# Altium PCB PrintNC_GRBLHAL_Breakout.pcbdoc (part 6 of 9)
Units mm, origin at the board's own origin, x right, y up, seen from the top; angles counter-clockwise.
Board outline 100 x 100 mm, 4 copper layers (Top Layer, GND, PWR, Bottom Layer), stack 0.603 mm thick; 296 components, 213 nets, 5829 pads, 410 vias.
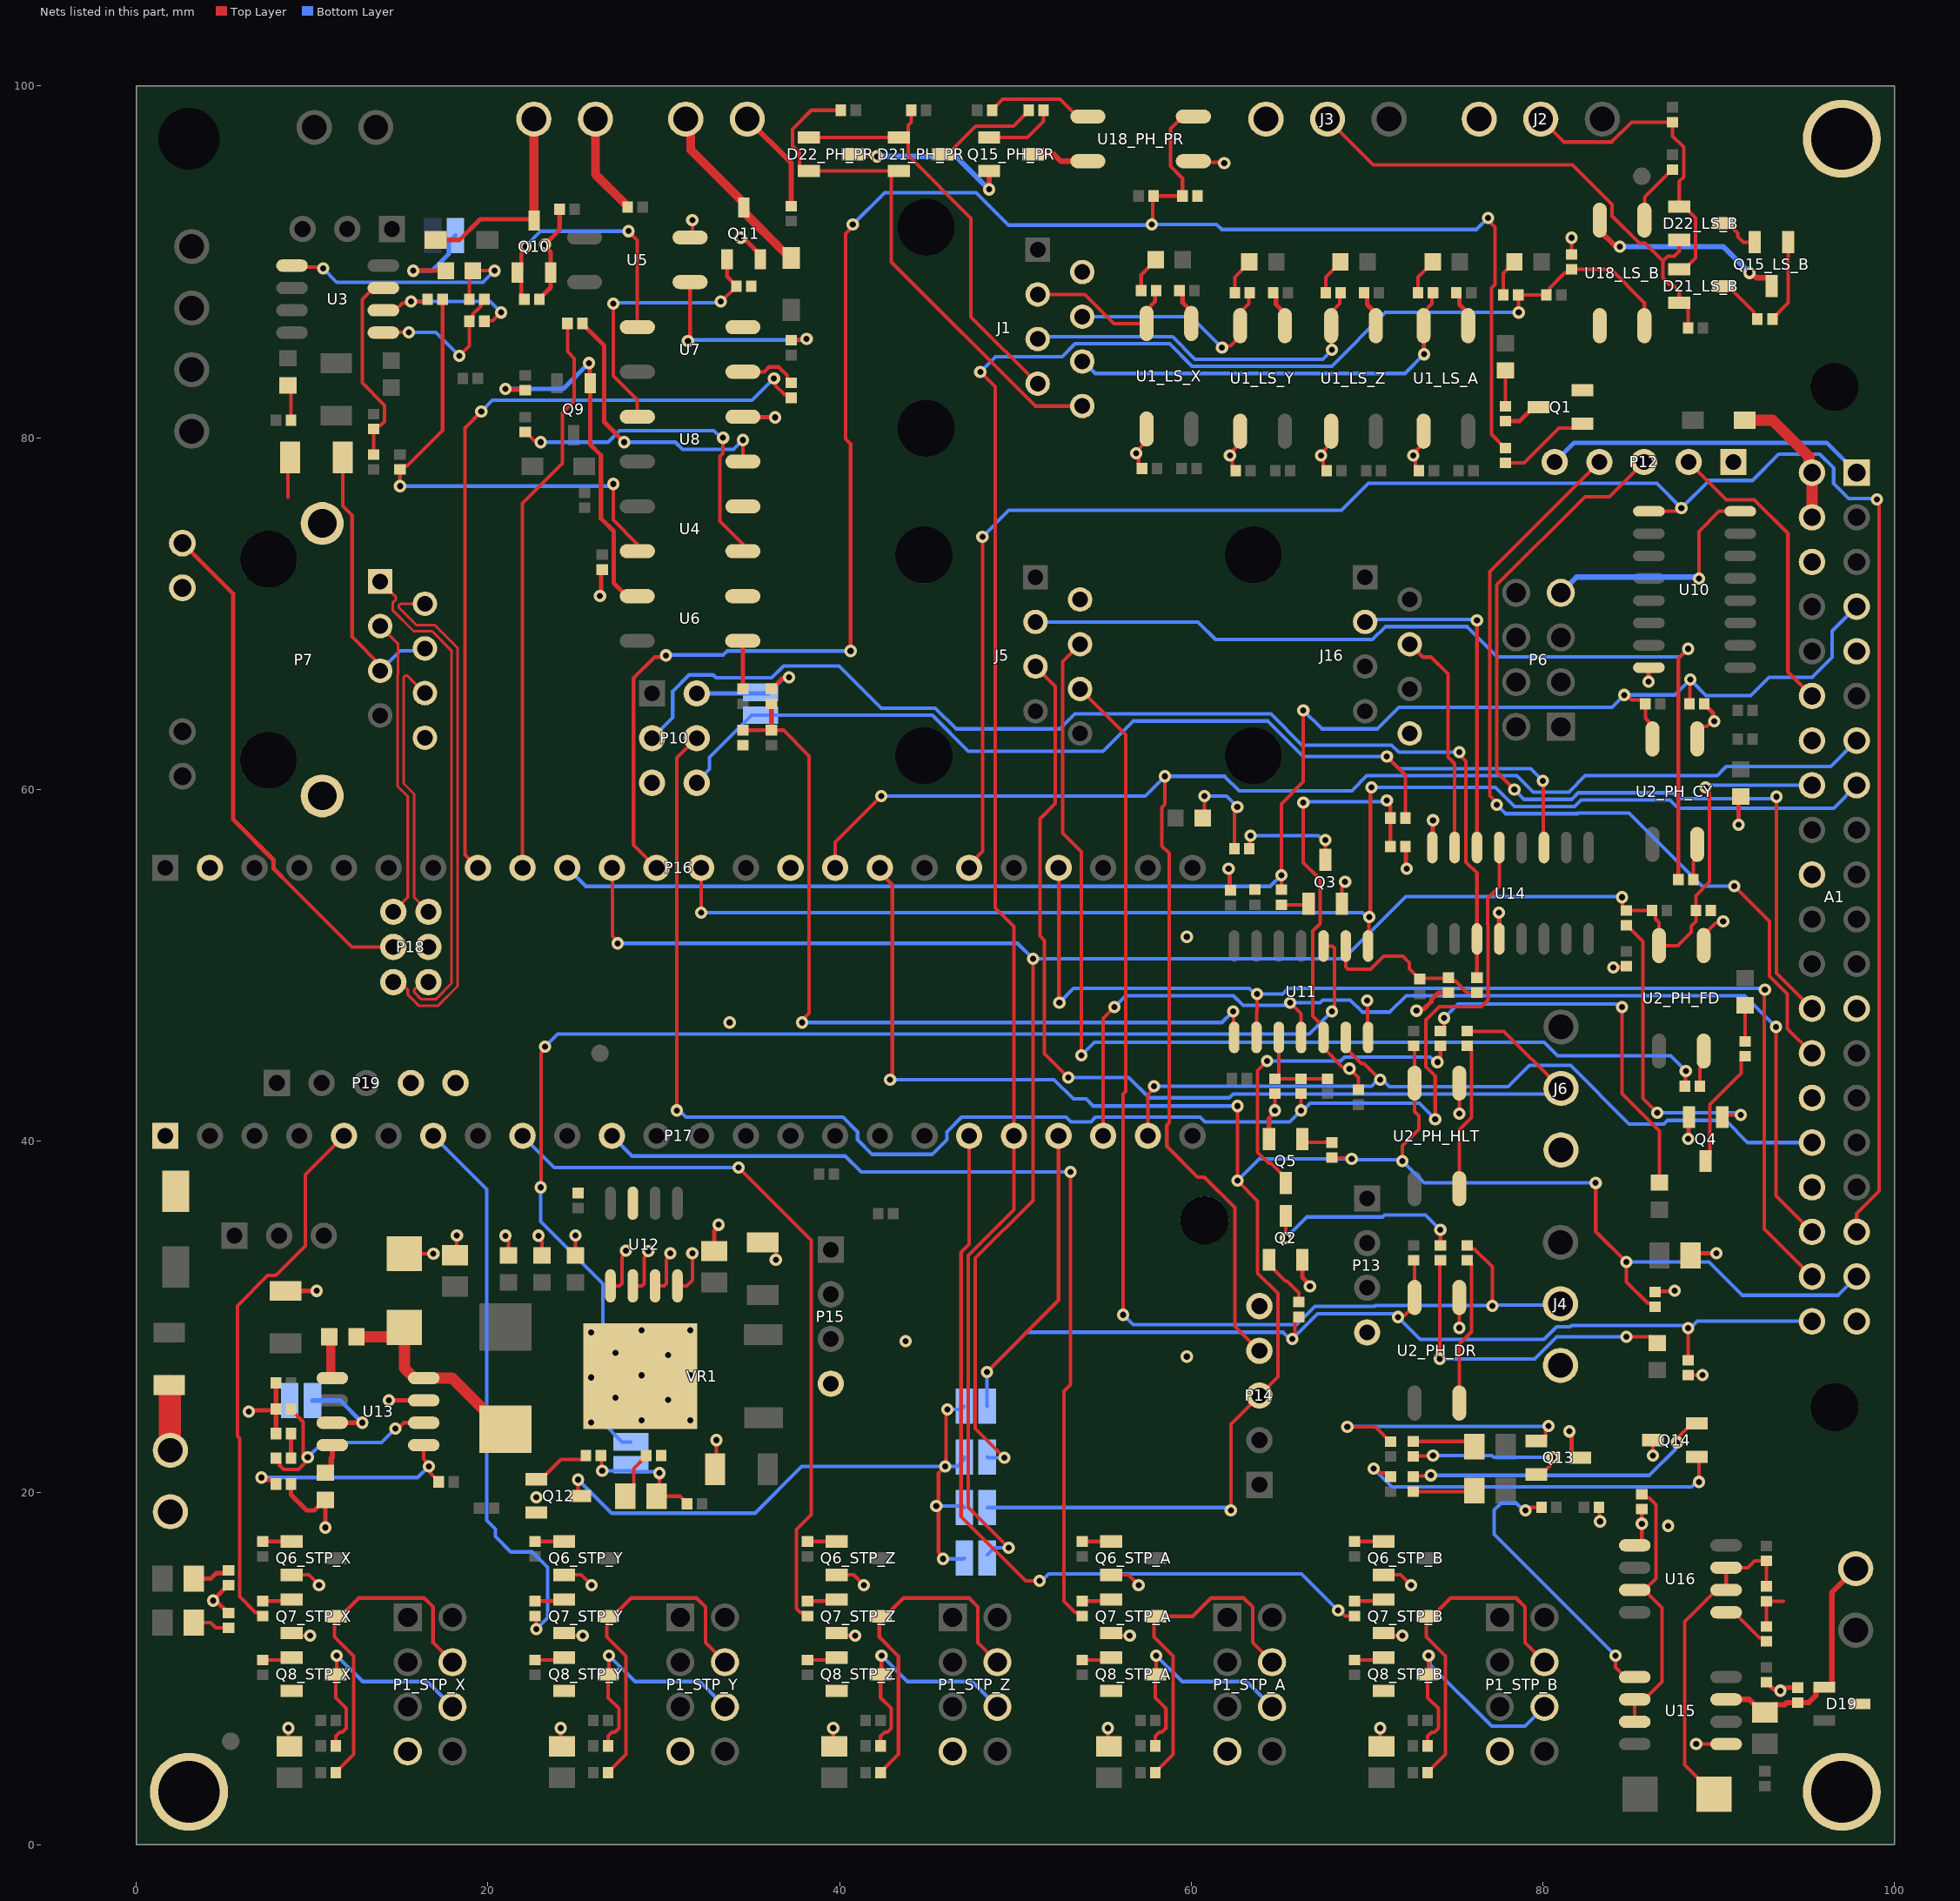
[diagram p8: the nets of this part, all layers, seen from the top]

## Via types
v1: diameter 0.7, hole 0.35, Top Layer to Bottom Layer, tented both sides, 402 vias
v2: diameter 1.27, hole 0.711, Top Layer to Bottom Layer, tented both sides, 8 vias

## Nets (pads, with @x,y where several pads share a name; then routed paths per layer and width w, separated by ;. In a path a pad name is that pad's centre, name@x,y a point inside that pad or via, vN(x,y) a via of type N, cw(c..) or ccw(c..) an arc to the next point about the centre after c; other vN are vias at no path point) (continued)
AUX3: A1.35 P16.19 U10.1 | length 118.9
  Top Layer w0.203: P16.19@47.371,55.547 47.371,55.721 48.125,56.475 v1(48.125,74.375) ; U10.1@86.025,75.82 87.561,75.82 87.741,76 v1(87.875,76) ; A1.35@97.843,34.84 97.843,35.883 99.125,37.165 99.125,76.133 99.095,76.163 99.095,76.405 v1(99,76.5)
  Bottom Layer w0.203: v1(48.125,74.375) 49.625,75.875 68.551,75.875 70.08,77.405 86.47,77.405 v1(87.875,76) 89.445,77.57 91.907,77.57 93.415,79.079 95.742,79.079 96.535,78.285 96.535,77.389 97.386,76.539 98.961,76.539 v1(99,76.5)
AUX3_RLY: P6.7 U10.16 | length 13.8
  Top Layer w0.203: v1(88.875,72) 88.875,74.675 90.02,75.82 U10.16@91.225,75.82
  Bottom Layer w0.305: P6.7@81.02,71.185 81.915,72.08 88.688,72.08 88.768,72 v1(88.875,72)
B: D19.1 P11.A2 R70.2 R78.1 U15.7 | length 14.4
  Top Layer w0.305: U15.7@90.421,8.255 91.73,8.255 92.535,7.45 93.028,7.943 93.742,7.943 93.874,8.075 R78.1@94.5,8.075 95.125,8.075 95.527,8.477 95.527,8.802 95.675,8.95 D19.1@96,8.95 96.287,8.95 96.435,9.098 96.435,14.337 P11.A2@97.79,15.692
B_EXT+: J16.3 U14.6 | length 19.4
  Top Layer w0.203: U14.6@76.25,56.7 v1(76.25,69.625)
  Bottom Layer w0.203: J16.3@69.89,69.53 70.026,69.666 76.209,69.666 v1(76.25,69.625)
B_EXT-: J16.4 U14.7 | length 12.9
  Top Layer w0.203: J16.4@72.43,68.26 73.16,67.53 73.646,67.53 74.595,66.58 74.595,61.854 74.98,61.469 U14.7@74.98,56.7
B_LIM: C35_LS_B.2 J12.2 P17.20 R73_LS_B.1 R77.1 U18_LS_B.4 | length 115.8
  Top Layer w0.203: v1(48,83.75) 48.856,82.894 48.856,53.269 49.911,52.214 P17.20@49.911,40.307 49.911,36.111 47.314,33.514 47.314,19.186 v1(49.625,16.875) ; R77.1@78.6,88.1 78.798,87.902 R77.1@78.823,87.902 ; v1(78.625,87.125) 78.612,87.137 78.612,88.112 R77.1@78.6,88.125 R73_LS_B.1@80.2,88.125 80.398,88.323 80.398,88.529 81.246,89.377 81.427,89.377 C35_LS_B.2@81.625,89.575 C35_LS_B.2@81.65,89.575 ; C35_LS_B.2@81.848,89.352 81.848,89.377 C35_LS_B.2@81.65,89.575 ; U18_LS_B.4@85.77,86.375 85.77,87.68 83.875,89.575 C35_LS_B.2@81.65,89.575
  Bottom Layer w0.203: v1(48,83.75) 48.865,84.615 52.662,84.615 53.391,85.345 58.766,85.345 60.047,84.064 67.99,84.064 71.051,87.125 v1(78.625,87.125) ; J12.2@48.397,16.477 48.795,16.875 v1(49.625,16.875)
COOLANT: P16.8 R37.1 | length 45.7
  Top Layer w0.203: P16.8@19.431,55.547 19.431,55.555 18.689,56.297 18.689,80.564 v1(19.625,81.5) ; v1(36.27,83.375) 36.365,83.28 36.365,82.954 36.846,82.473 37.052,82.473 R37.1@37.25,82.275
  Bottom Layer w0.203: v1(19.625,81.5) 20.253,82.128 35.023,82.128 v1(36.27,83.375)
COOLANT_n: D8.1 P4.A2 Q10.3 | length 11.7
  Top Layer w0.254: D8.1@17.025,91.25 18.383,91.25 19.563,92.43 22.427,92.43 22.597,92.6 Q10.3@22.625,92.6
  Top Layer w0.508: P4.A2@22.614,98.125 22.62,98.12 22.62,92.605 Q10.3@22.625,92.6
CYC/ST: A1.7 C2_PH_CY.2 P16.10 R9.1 R14_PH_CY.1 U2_PH_CY.4 | length 93.2
  Top Layer w0.203: R9.1@65.125,54.3 65.125,59.188 66.375,60.438 v1(66.375,64.5) ; v1(84.625,65.375) 84.759,65.375 85.036,65.098 85.627,65.098 85.825,64.9 85.825,64.042 86.23,63.636 U2_PH_CY.4@86.23,62.875 ; C2_PH_CY.2@88.325,64.875 88.35,64.9 88.35,66.225 v1(88.375,66.25)
  Bottom Layer w0.203: P16.10@24.511,55.547 25.566,54.492 64.492,54.492 v1(65.125,55.125) ; v1(66.375,64.5) 67.425,63.45 70.594,63.45 71.813,64.67 83.92,64.67 v1(84.625,65.375) 87.5,65.375 v1(88.375,66.25) ; v1@88.53,66.095 89.28,65.345 91.82,65.345 92.853,66.379 95.319,66.379 96.456,67.516 96.456,69.013 A1.7@97.843,70.4
CYC/ST_out: J5.3 R15_PH_CY.1 | length 52
  Top Layer w0.203: R15_PH_CY.1@87.7,54.875 87.7,67.45 v1(88.25,68)
  Bottom Layer w0.203: J5.3@51.265,69.53 60.383,69.53 61.382,68.53 70.304,68.53 71.033,69.26 75.69,69.26 77.409,67.54 87.784,67.54 88.243,68 v1(88.25,68)
DE: R72.2 U15.2 U15.3 U16.3 | length 15.2
  Top Layer w0.203: U15.3@85.221,6.985 85.221,8.026 85.45,8.255 U15.2@85.471,8.255 ; U15.2@85.221,8.255 U15.2@85.471,8.255 ; U16.3@85.221,14.478 U16.3@85.817,14.478 ; 86.029,19.727 86.426,19.33 86.426,15.133 85.817,14.524 U16.3@85.817,14.478 ; U15.2@85.471,8.255 85.771,8.255 86.78,9.264 86.78,13.469 85.817,14.432 U16.3@85.817,14.478
DIR-_STP_A: P1_STP_A.4 Q7_STP_A.3 R17_STP_A.1 | length 19.6
  Top Layer w0.203: R17_STP_A.1@57.955,4.087 57.955,4.112 58.966,5.123 58.966,10.716 57.881,11.801 57.881,12.915 Q7_STP_A.3@57.95,12.984 60.089,12.984 61.128,14.023 62.98,14.023 63.489,13.513 63.489,11.483 P1_STP_A.4@64.594,10.378
DIR-_STP_B: P1_STP_B.4 Q7_STP_B.3 R17_STP_B.1 | length 19.6
  Top Layer w0.203: R17_STP_B.1@73.449,4.087 73.449,4.112 74.46,5.123 74.46,10.716 73.375,11.801 73.375,12.915 Q7_STP_B.3@73.444,12.984 73.719,12.984 74.758,14.023 78.474,14.023 78.983,13.513 78.983,11.483 P1_STP_B.4@80.088,10.378
DIR-_STP_X: P1_STP_X.4 Q7_STP_X.3 R17_STP_X.1 | length 19.7
  Top Layer w0.203: Q7_STP_X.3@11.341,12.984 Q7_STP_X.3@11.616,12.984 ; R17_STP_X.1@11.346,4.087 11.346,4.112 12.357,5.123 12.357,10.716 11.272,11.801 11.272,12.736 11.368,12.736 Q7_STP_X.3@11.616,12.984 ; P1_STP_X.4@17.985,10.378 16.88,11.483 16.88,13.513 16.371,14.023 12.655,14.023 Q7_STP_X.3@11.616,12.984
DIR-_STP_Y: P1_STP_Y.4 Q7_STP_Y.3 R17_STP_Y.1 | length 19.7
  Top Layer w0.203: Q7_STP_Y.3@26.835,12.984 Q7_STP_Y.3@27.11,12.984 ; R17_STP_Y.1@26.84,4.087 26.84,4.112 27.851,5.123 27.851,10.716 26.766,11.801 26.766,12.736 26.862,12.736 Q7_STP_Y.3@27.11,12.984 ; P1_STP_Y.4@33.479,10.378 32.374,11.483 32.374,13.513 31.865,14.023 28.149,14.023 Q7_STP_Y.3@27.11,12.984
DIR-_STP_Z: P1_STP_Z.4 Q7_STP_Z.3 R17_STP_Z.1 | length 19.6
  Top Layer w0.203: R17_STP_Z.1@42.334,4.087 42.334,4.112 43.345,5.123 43.345,10.716 42.26,11.801 42.26,12.915 Q7_STP_Z.3@42.329,12.984 42.604,12.984 43.643,14.023 47.359,14.023 47.868,13.513 47.868,11.483 P1_STP_Z.4@48.973,10.378
DIR_A: P17.11 R20_STP_A.1 | length 52.9
  Top Layer w0.203: v1(53.131,38.25) 53.131,26.157 52.763,25.789 52.763,13.831 53.395,13.199 53.601,13.199 R20_STP_A.1@53.799,13.001
  Bottom Layer w0.203: P17.11@27.051,40.307 28.203,39.155 40.323,39.155 41.228,38.25 v1(53.131,38.25)
DIR_B: P17.19 R20_STP_B.1 | length 46.9
  Top Layer w0.203: P17.19@47.371,40.307 47.371,34.145 46.908,33.682 46.908,18.667 50.574,15 v1(51.375,15) ; v1(68.355,13.321) 68.425,13.321 68.744,13.001 R20_STP_B.1@69.293,13.001
  Bottom Layer w0.203: v1(51.375,15) 51.492,15 51.896,15.405 66.271,15.405 v1(68.355,13.321)
DIR_X: P17.5 R20_STP_X.1 | length 30.8
  Top Layer w0.203: R20_STP_X.1@7.19,13.001 6.992,13.199 6.786,13.199 5.88,14.106 5.88,23.109 5.75,23.238 5.75,30.636 7.474,32.36 7.926,32.36 9.61,34.044 9.61,38.106 P17.5@11.811,40.307
DIR_Y: P17.7 R20_STP_Y.1 | length 32.5
  Top Layer w0.203: R20_STP_Y.1@22.684,13.001 22.75,12.935 v1(22.75,12.25)
  Bottom Layer w0.203: P17.7@16.891,40.307 19.935,37.263 19.935,18.44 20.436,17.939 20.436,17.513 21.307,16.642 22.534,16.642 23.405,15.771 23.405,12.905 v1(22.75,12.25)
DIR_Z: P17.9 R20_STP_Z.1 | length 41
  Top Layer w0.203: v1(34.25,38.5) 38.39,34.36 38.39,18.765 37.548,17.923 37.548,13.425 37.774,13.199 37.98,13.199 R20_STP_Z.1@38.178,13.001
  Bottom Layer w0.203: P17.9@21.971,40.307 23.778,38.5 v1(34.25,38.5)
DOOR: A1.40 C2_PH_DR.2 J11.2 P17.21 R7.1 R14_PH_DR.1 U2_PH_DR.4 | length 73.9
  Top Layer w0.203: v1(48.375,26.875) 52.451,30.951 P17.21@52.451,40.307 ; v1(65.75,28.75) 65.75,28.884 65.902,29.036 65.902,29.802 66.1,30 R7.1@66.125,30 ; v1(71.75,30) 71.845,30.095 72.126,30.095 72.702,30.671 72.702,33.172 R14_PH_DR.1@72.644,33.23 ; C2_PH_DR.2@88.25,27.55 v1(88.25,29.375)
  Bottom Layer w0.203: J11.2@48.397,24.926 48.375,24.948 v1(48.375,26.875) 50.635,29.135 65.231,29.135 65.616,28.75 v1(65.75,28.75) 67.18,30.18 71.436,30.18 71.616,30 v1(71.75,30) 73.022,28.728 80.059,28.728 80.776,29.445 81.54,29.445 81.625,29.53 87.961,29.53 88.116,29.375 88.384,29.375 88.769,29.76 A1.40@95.303,29.76
DOOR_out: J4.A2 J5.6 R15_PH_DR.1 | length 66.5
  Top Layer w0.203: J5.6@53.68,65.72 56.28,63.12 56.28,42.83 56.125,42.676 v1(56.125,30.125) ; R15_PH_DR.1@75.692,34.08 75.89,33.882 76.096,33.882 77.125,32.853 v1(77.125,30.625)
  Bottom Layer w0.203: v1(56.125,30.125) 56.685,29.565 65.991,29.565 67.036,30.61 70.437,30.61 70.481,30.655 77.095,30.655 v1(77.125,30.625) 77.187,30.688 80.938,30.688 J4.A2@81,30.75
ELED: P7.9 P18.4 | length 29.3
  Top Layer w0.203: 8.285,55.035 12.274,51.047 P18.4@14.621,51.047
  Top Layer w0.254: P7.9@2.626,74.007 5.52,71.113 5.52,58.285 7.811,55.994 7.811,55.51 8.285,55.035
EN-_STP_A: P1_STP_A.6 Q8_STP_A.3 R18_STP_A.1 | length 13.5
  Top Layer w0.203: R18_STP_A.1@57.955,5.611 57.955,6.16 58.181,6.385 58.334,6.385 58.56,6.611 58.56,7.74 57.955,8.345 57.955,9.677 Q8_STP_A.3@57.95,9.682 58.006,9.738 v1(58.006,10.75)
  Bottom Layer w0.203: v1(58.006,10.75) 59.483,9.273 63.159,9.273 P1_STP_A.6@64.594,7.838
EN-_STP_B: P1_STP_B.6 Q8_STP_B.3 R18_STP_B.1 | length 14.7
  Top Layer w0.203: R18_STP_B.1@73.449,5.611 73.449,6.16 73.675,6.385 73.828,6.385 74.054,6.611 74.054,7.74 73.449,8.345 73.449,9.677 Q8_STP_B.3@73.444,9.682 73.5,9.738 v1(73.5,10.75)
  Bottom Layer w0.203: v1(73.5,10.75) 73.595,10.655 73.595,10.229 77.09,6.733 78.983,6.733 P1_STP_B.6@80.088,7.838
EN-_STP_X: P1_STP_X.6 Q8_STP_X.3 R18_STP_X.1 | length 13.5
  Top Layer w0.203: R18_STP_X.1@11.346,5.611 11.346,6.16 11.572,6.385 11.725,6.385 11.951,6.611 11.951,7.74 11.346,8.345 11.346,9.677 Q8_STP_X.3@11.341,9.682 11.397,9.738 v1(11.397,10.75)
  Bottom Layer w0.203: v1(11.397,10.75) 12.874,9.273 16.55,9.273 P1_STP_X.6@17.985,7.838
EN-_STP_Y: P1_STP_Y.6 Q8_STP_Y.3 R18_STP_Y.1 | length 13.5
  Top Layer w0.203: R18_STP_Y.1@26.84,5.611 26.84,6.16 27.066,6.385 27.219,6.385 27.445,6.611 27.445,7.74 26.84,8.345 26.84,9.677 Q8_STP_Y.3@26.835,9.682 26.891,9.738 v1(26.891,10.75)
  Bottom Layer w0.203: v1(26.891,10.75) 28.368,9.273 32.044,9.273 P1_STP_Y.6@33.479,7.838
EN-_STP_Z: P1_STP_Z.6 Q8_STP_Z.3 R18_STP_Z.1 | length 13.5
  Top Layer w0.203: R18_STP_Z.1@42.334,5.611 42.334,6.16 42.56,6.385 42.713,6.385 42.939,6.611 42.939,7.74 42.334,8.345 42.334,9.677 Q8_STP_Z.3@42.329,9.682 42.385,9.738 v1(42.385,10.75)
  Bottom Layer w0.203: v1(42.385,10.75) 43.862,9.273 47.538,9.273 P1_STP_Z.6@48.973,7.838
ER_n: P7.6 P18.5 | length 15.6
  Top Layer w0.152: P7.6@16.416,65.482 15.425,66.473 15.299,66.473 15.21,66.384 15.21,60.34 15.799,59.751 15.799,53.869 P18.5@16.621,53.047
ER_p: P7.3 P18.6 | length 17.3
  Top Layer w0.152: P7.3@13.876,69.292 14.895,68.273 14.895,66.572 14.854,66.531 14.854,60.193 15.443,59.604 15.443,53.869 P18.6@14.621,53.047
ET_n: P7.2 P18.2 | length 30
  Top Layer w0.152: P18.2@14.621,49.047 14.986,49.047 15.332,48.701 15.354,48.701 15.443,48.611 15.443,48.338 16.068,47.713 17.174,47.713 18.276,48.815 18.276,68.049 16.969,69.356 15.927,69.356 14.936,70.347 14.936,70.473 15.026,70.562 16.292,70.562 P7.2@16.415,70.685
ET_p: P7.1 P18.1 | length 29.1
  Top Layer w0.152: P7.1@13.88,71.828 14.771,70.937 14.771,70.811 14.581,70.62 14.581,70.199 15.78,69 16.821,69 17.92,67.901 17.92,48.962 17.026,48.068 16.216,48.068 15.799,48.485 15.799,48.611 15.888,48.701 15.91,48.701 16.256,49.047 P18.1@16.621,49.047
EXT_IN0: J9.2 P10.2 R54.1 | length 6.9
  Top Layer w0.254: R54.1@36.125,65.725 36.15,65.725 36.715,66.29 37.04,66.29 v1(37.125,66.375)
  Bottom Layer w0.254: P10.2@31.875,65.46 35.935,65.46 36.765,66.29 37.04,66.29 v1(37.125,66.375)
EXT_IN0_BUF: A1.38 P16.21 U11.2 | length 68.4
  Top Layer w0.203: P16.21@52.451,55.547 52.476,55.523 52.476,47.899 v1(52.5,47.875) ; U11.2@63.71,45.9 63.71,47.394 63.75,47.434 v1(63.75,48.375) ; v1(92.625,48.625) 92.595,48.595 92.595,35.008 A1.38@95.303,32.3
  Bottom Layer w0.203: v1(52.5,47.875) 53.311,48.686 63.305,48.686 63.616,48.375 65.199,48.375 65.51,48.686 92.564,48.686 v1(92.625,48.625)
EXT_IN1: P10.4 R59.1 U14.5 | length 88.1
  Top Layer w0.203: v1(30.75,41.75) 30.75,61.795 P10.4@31.875,62.92 ; v1(66.25,41.75) R59.1@66.25,42.7 ; v1(73.875,41.25) 73.875,43.699 73.345,44.229 73.345,46.896 74.104,47.655 76.51,47.655 76.88,48.024 76.88,52.325 76.845,52.36 76.845,53.801 77.52,54.475 U14.5@77.52,56.7
  Bottom Layer w0.203: v1(30.75,41.75) 30.884,41.75 31.273,41.362 40.188,41.362 41.021,40.528 41.021,40.086 41.854,39.252 45.268,39.252 46.101,40.086 46.101,40.528 46.934,41.362 52.888,41.362 53.154,41.095 54.288,41.095 54.554,41.362 60.508,41.362 60.774,41.095 65.595,41.095 v1(66.25,41.75) 66.367,41.75 66.771,42.155 72.97,42.155 v1(73.875,41.25)
EXT_IN1_BUF: A1.36 P17.22 U11.4 | length 62
  Top Layer w0.203: P17.22@54.991,40.307 54.991,46.991 v1(55.625,47.625) ; v1(65.625,47.875) 66.25,47.25 U11.4@66.25,45.9 ; v1(93.25,46.5) 93.25,36.893 A1.36@95.303,34.84
  Bottom Layer w0.203: v1(55.625,47.625) 56.28,48.28 62.396,48.28 62.955,47.72 65.336,47.72 65.491,47.875 67.325,47.875 67.479,48.03 69.045,48.03 69.729,47.345 71.295,47.345 72.229,48.28 91.47,48.28 v1(93.25,46.5)
EXT_IN2: J9.1 P10.6 R62.1 U14.3 | length 60.9
  Top Layer w0.203: v1(71.125,61.875) 72.175,60.825 R62.1@72.175,58.375 ; v1(80,60.5) 80.03,60.47 80.03,56.73 U14.3@80.06,56.7
  Bottom Layer w0.203: P10.6@31.875,60.38 31.875,60.431 32.595,61.151 32.595,61.82 35,64.225 45.276,64.225 47.321,62.18 54.985,62.18 56.696,63.891 64.36,63.891 66.376,61.875 v1(71.125,61.875) 71.813,61.187 79.313,61.187 v1(80,60.5)
EXT_IN2_BUF: A1.32 P17.23 U11.6 | length 46.5
  Top Layer w0.203: P17.23@57.531,40.307 57.531,42.647 57.875,42.991 v1(57.875,43.125) ; U11.6@68.79,45.9 68.79,45.3 69.674,44.416 69.834,44.416 v1(70.75,43.5)
  Bottom Layer w0.203: v1(57.875,43.125) 70.241,43.125 70.616,43.5 70.867,43.5 71.271,43.095 78.021,43.095 79.23,44.305 81.57,44.305 84.905,40.97 86.884,40.97 87.1,41.186 90.392,41.186 91.658,39.92 A1.32@95.303,39.92
EXT_IN3: P10.3 R64.1 U14.11 | length 64.6
  Top Layer w0.203: v1(75.25,62.125) 75.25,61.991 75.625,61.616 75.625,55.87 76.25,55.245 U14.11@76.25,51.5 R64.1@76.25,49.3
  Bottom Layer w0.203: P10.3@29.335,62.92 30.511,64.096 30.511,65.587 31.438,66.515 32.81,66.515 32.979,66.345 36.132,66.345 36.816,67.03 39.97,67.03 42.368,64.631 45.444,64.631 46.625,63.45 52.537,63.45 53.383,64.297 64.529,64.297 66.296,62.53 71.396,62.53 71.801,62.125 v1(75.25,62.125)
EXT_IN3_BUF: A1.15 P16.13 U11.8 | length 78.7
  Top Layer w0.203: v1(32.125,53) 32.128,53.003 32.128,55.544 P16.13@32.131,55.547 ; U11.8@70.06,51.1 70.093,51.132 70.093,52.718 70.187,52.813 70.187,60.063 v1(70.25,60.125)
  Bottom Layer w0.203: v1(32.125,53) 69.741,53 69.991,52.75 v1(70.125,52.75) ; v1(70.25,60.125) 77.301,60.125 78.393,59.033 81.807,59.033 82.179,59.405 87.219,59.405 87.69,58.933 96.536,58.933 A1.15@97.843,60.24
FD/HLD: A1.16 C2_PH_FD.2 J14.2 P16.11 R11.1 R14_PH_FD.1 U2_PH_FD.4 | length 116.3
  Top Layer w0.203: P16.11@27.051,55.547 27.088,55.51 27.088,51.671 27.375,51.384 v1(27.375,51.25) ; v1(49.375,22) 47.72,23.655 47.72,33.345 51,36.625 v1(51,50.375) ; v1(84.5,53.875) 84.527,53.848 84.527,53.323 84.725,53.125 R14_PH_FD.1@86.2,53.125 86.398,52.927 86.398,52.636 86.605,52.43 U2_PH_FD.4@86.605,51.125 87.676,51.125 88.44,51.89 88.44,52.236 88.7,52.495 88.7,53.969 89.475,54.744 89.475,59.766 89.25,59.991 v1(89.25,60.125)
  Bottom Layer w0.203: v1(27.375,51.25) 50.125,51.25 v1(51,50.375) 68.676,50.375 72.205,53.905 84.47,53.905 v1(84.5,53.875) ; J14.2@48.397,22.047 48.444,22 v1(49.375,22) ; v1(89.25,60.125) 89.384,60.125 89.502,60.242 93.558,60.242 93.561,60.24 A1.16@95.303,60.24
GND: A1.6 A1.9 A1.14 A1.20 A1.25 A1.30 A1.34 A1.39 C1_LS_A.1 C1_LS_X.1 C1_LS_Y.1 C1_LS_Z.1 C2_PH_CY.1 C2_PH_DR.1 C2_PH_FD.1 C2_PH_HLT.1 C3_STP_A.1 C3_STP_B.1 C3_STP_X.1 C3_STP_Y.1 C3_STP_Z.1 C7.1 C8.1 C9.1 C10.1 C11.1 C12.1 C13.1 C14.2 C15.1 C16.1 C17.1 C18.1 C19.1 C21.1 C22.1 C23.1 C24.1 C25.1 C26.1 C27.1 C28.1 C29.1 C30.1 C31.1 C32.2 C33.1 C35_LS_B.1 C35_PH_PR.1 D13.1 D18.1 D19.3 J1.2 J2.A3 J3.A3 J4.A3 J5.2 J6.A3 J15.1 J16.8 P1_STP_A.7 P1_STP_B.7 P1_STP_X.7 P1_STP_Y.7 P1_STP_Z.7 P7.8 P7.10 P7.15 P7.16 P8.A2 P10.5 P12.1 P13.4 P14.5 P15.4 P16.2 P16.15 P17.1 P18.3 P19.4 P19.5 pad.0@3,3 pad.0@60.75,35.5 pad.0@97,3 pad.0@97,97 Q1.2 Q2.2 Q3.2 Q4.2 Q5.2 Q6_STP_A.2 Q6_STP_B.2 Q6_STP_X.2 Q6_STP_Y.2 Q6_STP_Z.2 Q7_STP_A.2 Q7_STP_B.2 Q7_STP_X.2 Q7_STP_Y.2 Q7_STP_Z.2 Q8_STP_A.2 Q8_STP_B.2 Q8_STP_X.2 Q8_STP_Y.2 Q8_STP_Z.2 Q10.2 Q11.2 Q12.2 Q13.3 Q14.3 R31.1 R32.1 R39.1 R42.1 R45.1 R46.1 R52.1 R67.1 R69.2 R72.1 R78.2 U1_LS_A.3 U1_LS_X.3 U1_LS_Y.3 U1_LS_Z.3 U2_PH_CY.3 U2_PH_DR.3 U2_PH_FD.3 U2_PH_HLT.3 U4.2 U5.2 U6.2 U7.2 U8.2 U10.8 U11.7 U12.1 U12.2 U12.3 U12.4 U12.7 U13.7 U14.8 U14.12 U15.5 U16.1 U18_LS_B.3 U18_PH_PR.3 VR1.2 | length 128.5
  Top Layer w0.203: 8.625,76.625 8.625,78.74 C7.1@8.76,78.875 ; C3_STP_X.1@8.647,5.539 v1(8.647,6.625) ; Q7_STP_X.2@8.841,12.034 9,11.875 v1(9.897,11.875) ; Q6_STP_X.2@8.841,15.336 9.811,15.336 v1(10.397,14.75) ; D18.1@15.25,33.6 v1(16.9,33.6) ; C23.1@18.125,33.515 18.236,33.626 v1(18.236,34.639) ; v1(21,34.625) 21,34.491 21.175,34.316 C21.1@21.175,33.508 ; v1(22.875,34.625) 22.875,34.491 23.08,34.286 C24.1@23.08,33.508 ; C3_STP_Y.1@24.141,5.539 v1(24.141,6.625) ; Q7_STP_Y.2@24.335,12.034 24.494,11.875 v1(25.391,11.875) ; Q6_STP_Y.2@24.335,15.336 25.305,15.336 v1(25.891,14.75) ; C22.1@24.985,33.508 v1(24.985,34.64) ; U12.1@26.97,31.775 27.486,31.775 27.618,31.907 27.618,33.418 27.845,33.646 v1(27.845,33.78) ; U12.2@28.24,31.775 28.764,31.775 28.897,31.908 28.897,33.387 29.125,33.616 v1(29.125,33.75) ; U12.3@29.51,31.775 30.034,31.775 30.157,31.898 30.157,33.272 30.375,33.491 v1(30.375,33.625) ; U12.4@30.78,31.775 31.304,31.775 31.625,32.096 v1(31.625,33.625) ; U5.2@31.5,91.395 31.625,91.52 v1(31.625,92.375) ; C9.1@32.927,21.336 33,21.409 v1(33,23) ; C10.1@35.625,34.24 35.912,34.24 36.375,33.777 v1(36.375,33.25) ; C3_STP_Z.1@39.635,5.539 v1(39.635,6.625) ; Q7_STP_Z.2@39.829,12.034 39.988,11.875 v1(40.885,11.875) ; Q6_STP_Z.2@39.829,15.336 40.799,15.336 v1(41.385,14.75) ; C3_STP_A.1@55.256,5.539 v1(55.256,6.625) ; Q7_STP_A.2@55.45,12.034 55.609,11.875 v1(56.506,11.875) ; Q6_STP_A.2@55.45,15.336 56.42,15.336 v1(57.006,14.75) ; C1_LS_X.1@57.2,78.25 57.002,78.448 57.002,78.864 56.862,79.004 56.862,79.207 57.46,79.805 U1_LS_X.3@57.46,80.5 ; U18_PH_PR.3@60.125,95.73 60.177,95.677 61.823,95.677 v1(61.875,95.625) ; C1_LS_Y.1@62.525,78.125 62.327,78.323 62.327,78.739 62.187,78.879 62.187,79.082 62.785,79.68 U1_LS_Y.3@62.785,80.375 ; v1(64.75,41.75) C16.1@64.75,42.7 ; C1_LS_Z.1@67.7,78.125 67.502,78.323 67.502,78.739 67.362,78.879 67.362,79.082 67.96,79.68 U1_LS_Z.3@67.96,80.375 ; Q3.2@68.575,53.5 68.575,54.441 68.75,54.616 v1(68.75,54.75) ; v1(70,48) 70.03,47.97 70.03,45.93 U11.7@70.06,45.9 ; C3_STP_B.1@70.75,5.539 v1(70.75,6.625) ; Q7_STP_B.2@70.944,12.034 71.103,11.875 v1(72,11.875) ; Q6_STP_B.2@70.944,15.336 71.914,15.336 v1(72.5,14.75) ; C1_LS_A.1@72.95,78.125 72.752,78.323 72.752,78.739 72.612,78.879 72.612,79.082 73.21,79.68 U1_LS_A.3@73.21,80.375 ; v1(75.242,29.383) U2_PH_DR.3@75.242,31.11 ; v1(75.242,41.575) U2_PH_HLT.3@75.242,43.302 ; C35_LS_B.1@81.625,90.425 v1(81.625,91.375) ; R69.2@83.185,19.177 83.218,19.145 83.218,18.407 v1(83.25,18.375) ; U16.1@85.221,17.018 85.396,17.018 85.625,17.247 R72.1@85.625,19.075 ; v1(86.25,22.125) Q14.3@86.25,23 ; C2_PH_HLT.1@86.375,31.425 86.413,31.462 87.462,31.462 v1(87.5,31.5) ; C2_PH_DR.1@88.25,26.7 v1(89.075,26.7) ; v1(88.715,5.715) U15.5@90.421,5.715 ; U2_PH_CY.3@88.77,62.875 88.77,63.314 89.046,63.589 89.33,63.589 89.616,63.875 v1(89.75,63.875) ; U2_PH_FD.3@89.145,51.125 89.145,51.725 89.825,52.405 90.155,52.405 v1(90.25,52.5) ; C32.2@92.71,12.402 C33.1@92.71,13.838 93.662,13.838
  Top Layer w0.254: R45.1@5.25,13.175 5.225,13.175 4.61,13.79 4.46,13.79 v1(4.375,13.875) 4.375,13.9 5.225,14.75 R46.1@5.25,14.75 ; v1(6.405,24.625) 6.475,24.695 7.88,24.695 C27.1@7.95,24.765 ; C29.1@7.95,23.375 C27.1@7.95,24.765 ; C26.1@7.95,26.25 C27.1@7.95,24.765 ; C25.1@8.5,31.49 v1(10.26,31.49) ; R67.1@8.8,20.5 8.8,19.896 9.696,19 10.12,19 10.725,19.605 C28.1@10.75,19.605 v1(10.75,18.03) ; v1(14.365,25.26) U13.7@16.35,25.26 ; R39.1@22.925,87.9 23.391,88.366 23.395,88.366 23.575,88.546 23.575,90.554 23.25,90.879 v1(23.25,91) 24.075,91.825 R31.1@24.075,93 ; v1(26.375,71) 26.438,71.063 26.438,72.438 R32.1@26.5,72.5 ; C11.1@32.875,33.75 32.875,34.879 33.125,35.129 v1(33.125,35.25) ; v1(34.375,91.375) 34.46,91.29 34.61,91.29 Q11.2@35.5,90.4 ; U8.2@34.5,81.194 34.517,81.177 36.323,81.177 v1(36.34,81.159) ; v1(62.125,55.5) 62.177,55.448 62.177,54.326 C14.2@62.23,54.273 ; Q5.2@64.425,40.125 64.425,41.304 64.75,41.629 v1(64.75,41.75) ; Q2.2@66.325,33.25 66.325,32.244 66.75,31.819 v1(66.75,31.75) ; C17.1@72.175,56.75 72.212,56.712 72.212,55.538 v1(72.25,55.5) ; v1(72.81,47.42) 72.895,47.506 73.222,47.506 73.655,47.938 73.655,48.05 74.055,48.45 C18.1@74.625,48.45 ; U14.8@73.71,56.7 73.73,56.72 73.73,58.23 v1(73.75,58.25) ; v1(77.5,53) 77.51,52.99 77.51,51.51 U14.12@77.52,51.5 ; v1(81.5,23.5) 81.5,23.379 81.627,23.252 81.627,22.223 81.85,22 Q13.3@82.125,22 ; v1(84,49.875) 84.038,49.913 84.712,49.913 C30.1@84.75,49.95 ; v1(86,66.125) 86,66.905 U10.8@86.025,66.93 ; v1(88.25,40.125) 88.275,40.15 88.275,41.35 Q4.2@88.3,41.375 ; C12.1@88.405,33.5 88.53,33.625 v1(89.875,33.625) ; C2_PH_CY.1@89.175,64.875 89.175,64.85 89.665,64.36 89.665,63.96 v1(89.75,63.875) ; v1(91.125,58) 91.125,59.48 C8.1@91.25,59.605 ; C31.1@92.71,9.227 92.735,9.227 92.908,9.054 92.908,9.029 93.102,8.835 93.415,8.835 v1(93.5,8.75) 93.621,8.75 93.796,8.925 R78.2@94.475,8.925